# Altium PCB BACKPMANv21.PcbDoc (part 4 of 5)
Units mm, origin at the board's own origin, x right, y up, seen from the top; angles counter-clockwise.
Board outline 113 x 160 mm, 4 copper layers (Component Side, Layer 1, Layer 2, Bottom Layer), stack 1.637 mm thick; 353 components, 234 nets, 1200 pads, 796 vias.
Unrouted connection lines stored in the file: 4.
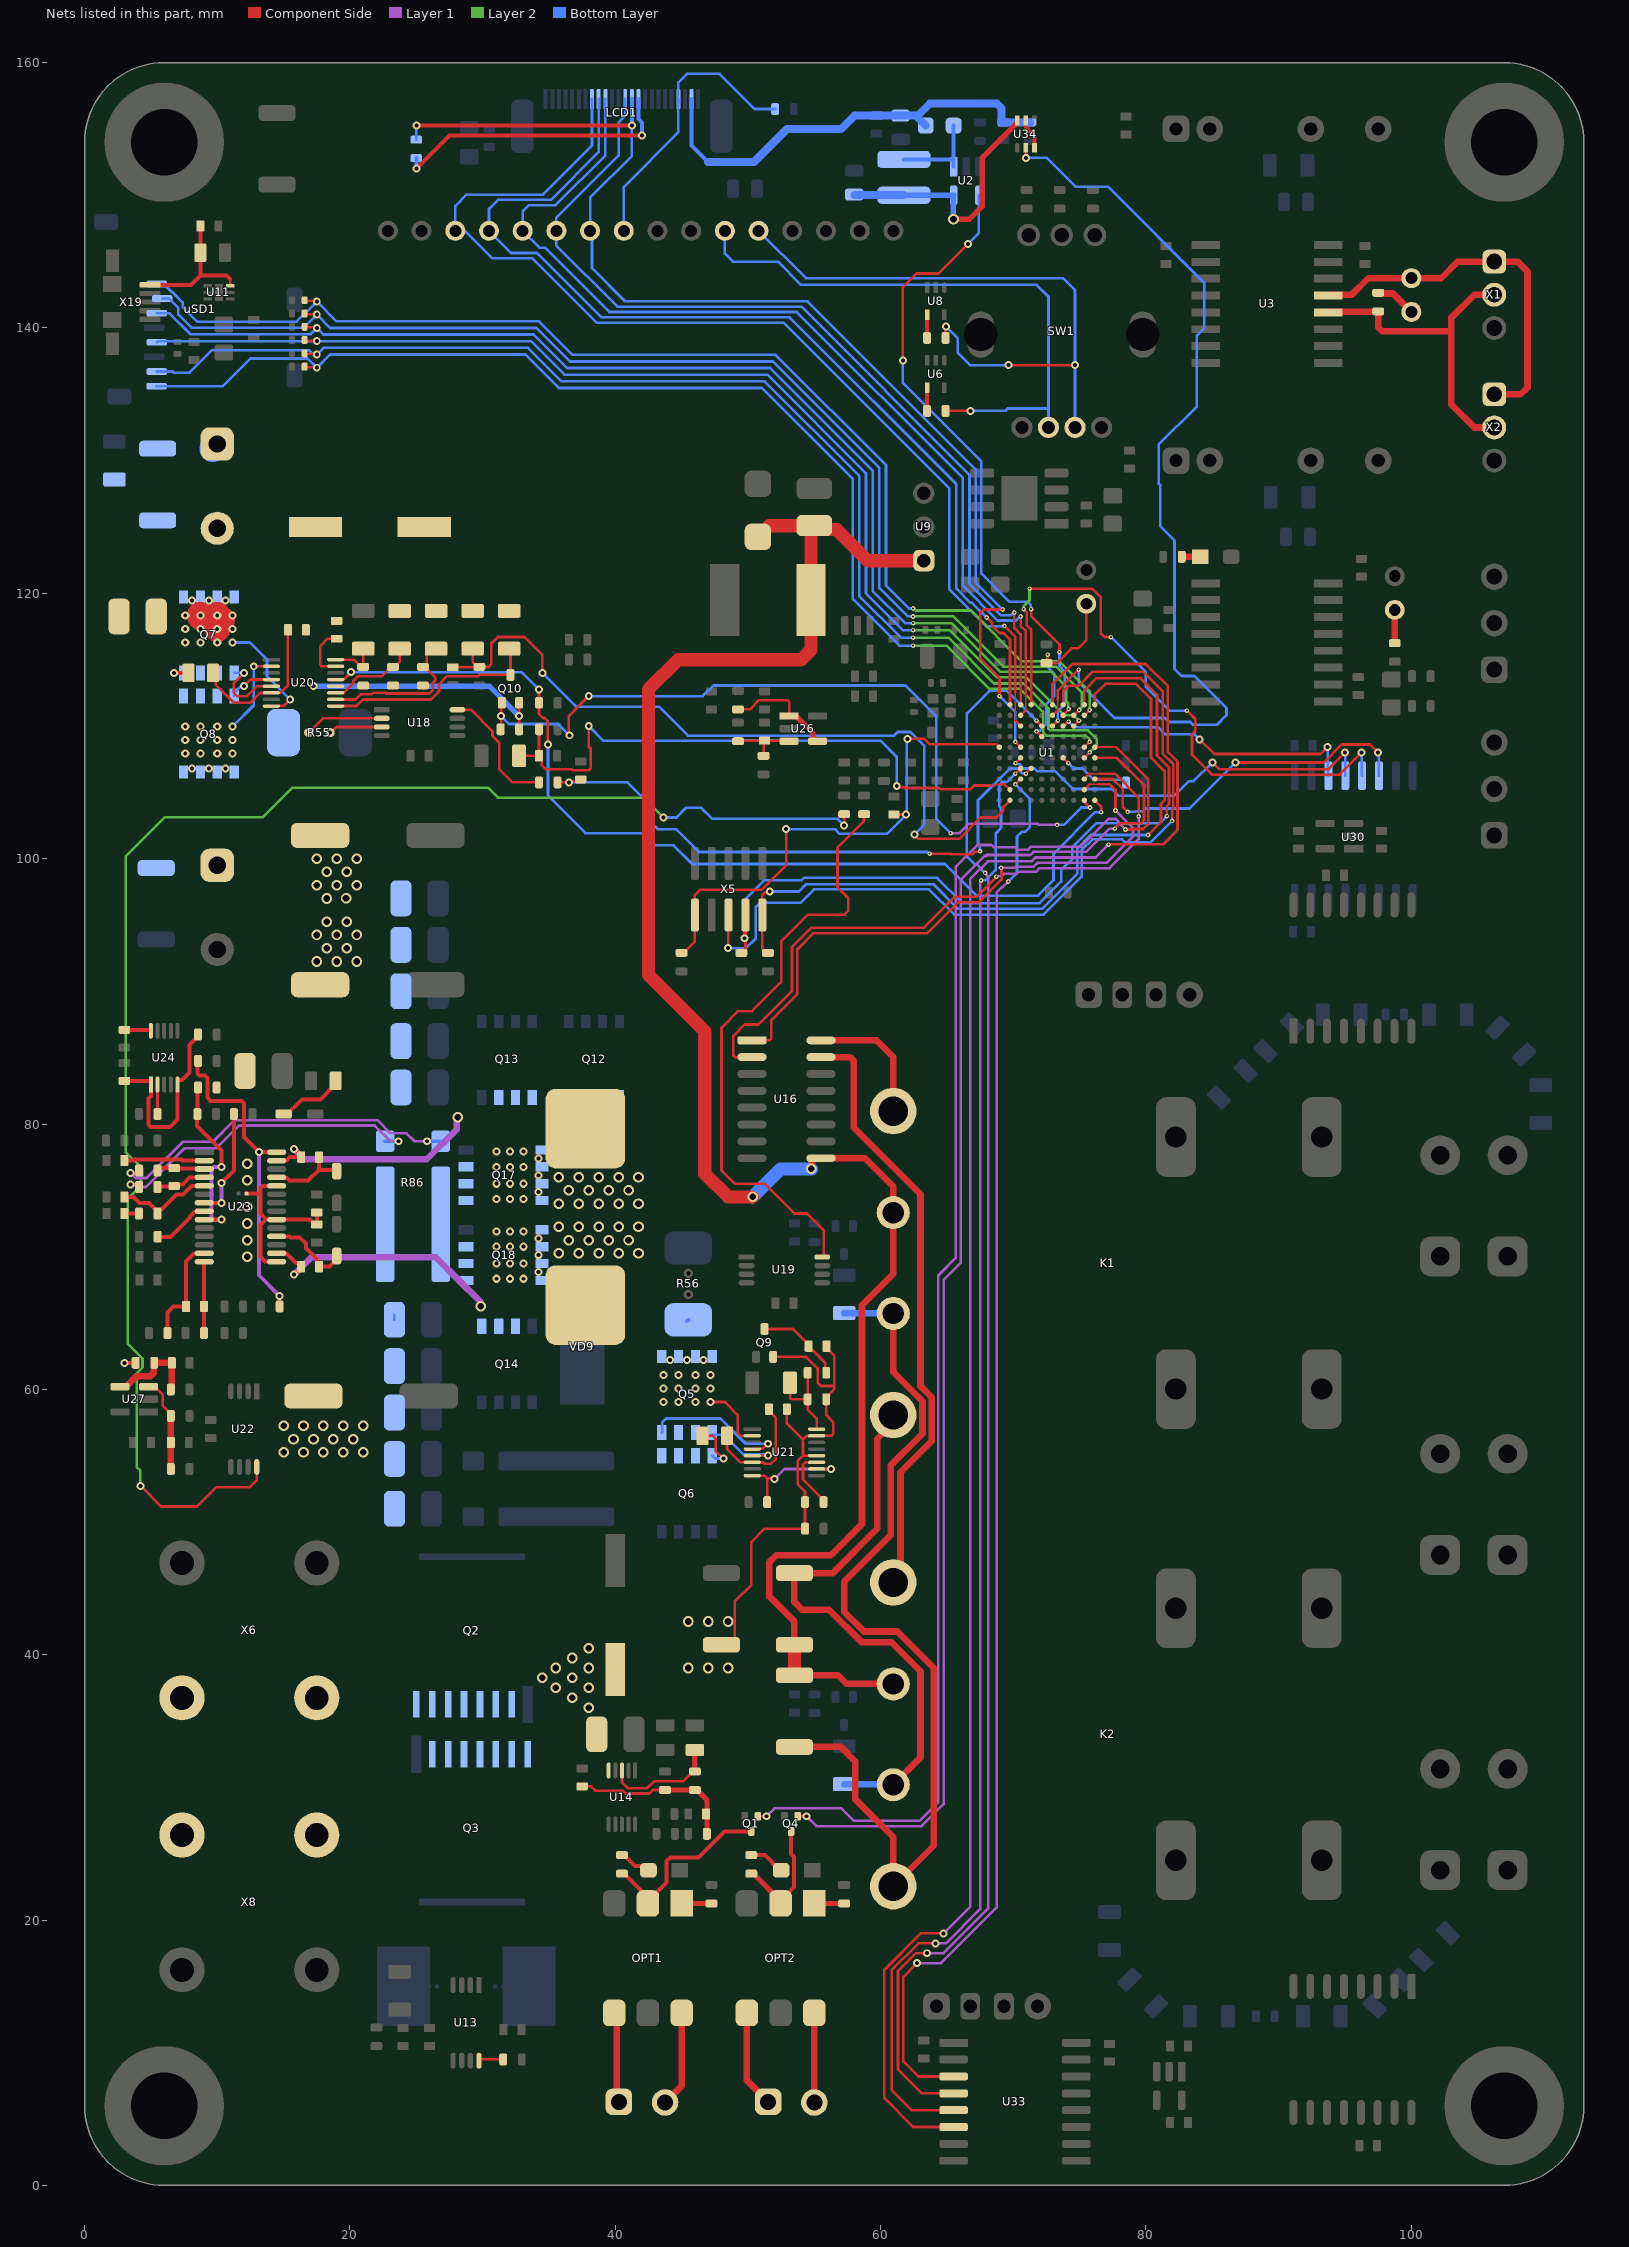
[diagram p6: the nets of this part, all layers, seen from the top]

## Via types
v1: diameter 0.8, hole 0.5, Component Side to Bottom Layer, tented both sides, 220 vias
v2: diameter 0.6, hole 0.3, Component Side to Bottom Layer, tented both sides, 204 vias
v3: diameter 0.35, hole 0.15, Component Side to Bottom Layer, tented both sides, 137 vias
v4: diameter 0.61, hole 0.3, Component Side to Bottom Layer, tented both sides, 135 vias
v5: diameter 0.6, hole 0.3, Component Side to Bottom Layer, 94 vias
v6: diameter 0.8, hole 0.5, Component Side to Bottom Layer, 2 vias
v7: diameter 1, hole 0.5, Component Side to Bottom Layer, tented both sides, 2 vias
v8: diameter 1.2, hole 0.8, Component Side to Bottom Layer, 1 vias
v9: diameter 0.9, hole 0.5, Component Side to Bottom Layer, tented both sides, 1 vias

## Nets (pads, with @x,y where several pads share a name; then routed paths per layer and width w, separated by ;. In a path a pad name is that pad's centre, name@x,y a point inside that pad or via, vN(x,y) a via of type N, cw(c..) or ccw(c..) an arc to the next point about the centre after c; other vN are vias at no path point) (continued)
NetC45_1: C45.1 L4.1 U11.6 X19.1 | length 10.7
  Component Side w0.2: U11.6@10.975,143.175 10.975,143.675
  Component Side w0.3: X19.1@4.926,143.25 8.025,143.25 8.725,143.95 ; C45.1@8.725,147.675 L4.1@8.725,145.675 8.725,143.95 ; 10.975,143.675 10.7,143.95 8.725,143.95
NetC56_2: C56.2 R66.1 U21.6 | length 9.4
  Component Side w0.2: R66.1@48.425,56.5 48.425,55.5 49.414,54.511 U21.6@50.286,54.511 ; U21.6@50.325,54.5 50.337,54.489 51.163,54.489 51.251,54.4 51.749,54.4 52.1,54.751 52.1,57.85 51.575,58.375 C56.2@51.575,58.5 ; U21.6@50.286,54.511 U21.6@50.325,54.472 ; U21.6@50.286,54.511 50.311,54.486 U21.6@50.325,54.472 ; U21.6@50.325,54.472 50.341,54.489 U21.6@50.325,54.472
NetC57_2: C57.2 Q9.3 R60.2 | length 6.6
  Component Side w0.2: Q9.3@51.25,64.55 53.4,64.55 54.575,63.375 54.575,63.125 54.775,62.925 54.9,62.925 55.825,62 55.825,61.325 R60.2@55.9,61.25
NetC60_2: C60.2 U20.15 | length 4.1
  Component Side w0.2: U20.15@18.925,114.5 17.867,114.5 17.75,114.617 17.75,116 18.325,116.575 C60.2@19,116.575
NetC79_2: C79.2 R93.1 U23.5 | length 7.4
  Component Side w0.3: C79.2@3,74.5 3.693,74.5 4.143,74.05 4.85,74.05 R93.1@5.5,73.4 ; R93.1@5.5,73.25 R93.1@5.5,73.4 ; U23.5@9.025,75.337 9.002,75.315 8.065,75.315 7.425,74.675 6.925,74.675 5.8,73.55 5.65,73.55 R93.1@5.5,73.4
NetC80_2: C80.2 R93.2 | length 1.1
  Component Side w0.3: C80.2@3,73.25 R93.2@4.1,73.25
NetC81_2: C81.2 U23.2 | length 6.1
  Component Side w0.3: C81.2@3,77.25 3.008,77.242 3.685,77.242 3.768,77.325 7.298,77.325 7.381,77.242 U23.2@9.025,77.242
NetC82_2: C82.2 U24.10 | length 4.1
  Component Side w0.3: U24.10@5,87.025 U24.10@5,87.1 ; U24.10@5,87.1 C82.2@3,87.1 U24.10@5,87.1
NetC83_1: C83.1 U23.25 VD13.1 | length 6
  Component Side w0.3: U23.25@14.475,75.972 14.498,75.95 15.226,75.95 15.451,75.725 16.856,75.725 17.675,76.544 ; C83.1@17.675,77.5 17.675,76.544 ; VD13.1@19,76.45 18.906,76.544 17.675,76.544
NetC85_1: C85.1 U23.18 VD14.1 | length 6.4
  Component Side w0.3: U23.18@14.475,71.527 14.498,71.505 15.463,71.505 15.51,71.457 16.217,71.457 16.685,70.99 16.685,70.657 16.957,70.385 16.965,70.385 17.529,69.821 17.529,69.396 C85.1@17.675,69.25 18.461,69.25 19,69.789 VD14.1@19,70.05
NetC86_1: C86.1 L6.1 U24.1 U24.5 | length 17.5
  Component Side w0.3: L6.1@8.55,86.75 8.55,86.6 7.9,85.95 7.9,83.875 7.349,83.324 ; U24.1@5,83.25 C86.1@3,83.25 U24.1@5,83.25 ; U24.1@5,83.25 U24.1@5,82.975 5,82.125 4.8,81.925 4.8,79.951 4.976,79.775 6.45,79.775 7,80.325 U24.5@7,83.324 ; U24.5@7,83.324 7.349,83.324 ; U24.5@7,83.324 7.349,83.324
NetC98_1: C98.1 R106.1 R107.2 U26.3 | length 5
  Component Side w0.2: R107.2@49.25,108.85 49.275,108.875 C98.1@51.225,108.875 ; R106.1@51.175,107.75 51.188,107.763 51.188,108.837 C98.1@51.225,108.875 ; U26.3@53.1,108.85 53.075,108.875 51.275,108.875 C98.1@51.25,108.9 C98.1@51.225,108.875
NetC101_2: C101.2 R109.2 R111.1 U27.4 | length 7.1
  Component Side w0.5: U27.4@2.675,60.2 3.125,60.2 3.925,61 4.957,61 5.2,61.243 5.2,61.95 R109.2@5.25,62 C101.2@6.575,62 6.575,60.225 6.5,60.15 R111.1@6.5,60
NetC102_1: C102.1 R110.2 R112.2 U27.3 | length 7.2
  Component Side w0.2: U27.3@4.825,60.2 5.275,60.2 5.879,59.596 5.879,58.771 6.5,58.15 R110.2@6.5,58
  Component Side w0.5: R112.2@6.5,54 C102.1@6.5,56 R110.2@6.5,58
NetC104_1: C104.1 R113.1 U23.14 | length 5.4
  Component Side w0.3: R113.1@9,64.25 C104.1@9,66.25 9,69.597 U23.14@9.025,69.622
NetC104_2: C104.2 R114.1 U23.13 | length 8.2
  Component Side w0.3: R114.1@6.25,64.25 6.25,65.8 6.7,66.25 C104.2@7.65,66.25 7.65,69.65 8.235,70.235 9.002,70.235 U23.13@9.025,70.257
NetJ1_2: J1.2 R8.1 | length 3.1
  Component Side w0.5: R8.1@97.5,142.65 97.55,142.6 98.61,142.6 J1.2@100,141.21
NetJ2_1: J2.1 R49.2 | length 2.5
  Component Side w0.5: R49.2@98.75,116.25 J2.1@98.75,118.75
NetJ3_1: J3.1 R1.2 U1.D5 | length 14.3
  Component Side w0.2: v3(71.75,109.6) U1.D5@72.15,109.2 ; v3(72.587,115.375) 72.587,114.837 R1.2@72.5,114.75 72.587,114.75 73.29,114.75 74.39,115.85 74.875,115.85 75.5,116.475 J3.1@75.5,119.21
  Bottom Layer w0.2: v3(71.75,109.6) 71.779,109.629 72.004,109.629 72.475,110.1 72.475,111.635 73.088,112.248 73.088,113.93 72.587,114.431 v3(72.587,115.375)
NetK1_3: K1.3 U16.16 | length 10.1
  Component Side w0.5: U16.16@55.5,86.31 59.69,86.31 60.95,85.05 K1.3@60.95,80.968
NetK1_5: K1.5 K2.6 R51.1 VD4.1 | length 71.4
  Component Side w0.5: VD4.1@53.5,33.05 57,33.05 58.075,31.975 58.075,29.125 60.95,26.25 K2.6@60.95,22.55 64,25.6 64,39 61.25,41.75 58.74,41.75 57.25,43.24 57.25,45.5 60.75,49 60.75,54.25 63.15,56.65 63.15,59.1 60.95,61.3 K1.5@60.95,65.718
  Bottom Layer w0.5: R51.1@57.25,65.75 57.266,65.734 60.934,65.734 K1.5@60.95,65.718
NetK1_6: K1.6 K2.5 R53.1 VD5.1 | length 43.8
  Component Side w0.5: K2.5@60.95,30.2 63,32.25 63,38.75 60.8,40.95 58.55,40.95 56.125,43.375 54.086,43.375 53.5,43.961 VD5.1@53.5,46.15 56.4,46.15 59.75,49.5 59.75,56.275 60.95,57.475 K1.6@60.95,58.068
  Bottom Layer w0.5: R53.1@57.25,30.25 57.275,30.225 60.925,30.225 K2.5@60.95,30.2 ; K1.6@60.95,58.068 60.95,58.05 K1.6@61,58
NetK2_3: K2.3 U16.15 | length 45.5
  Component Side w0.5: U16.15@55.5,85.04 57.682,85.04 57.975,84.747 57.975,79.725 63,74.7 63,60.25 63.85,59.4 63.85,56.1 61.5,53.75 61.5,46 K2.3@60.95,45.45
NetL1_2: L1.2 U2.1 VD1.2 | length 6.9
  Bottom Layer w0.3: L1.2@61.75,152.7 65.375,152.7 U2.1@65.5,152.575 ; U2.1@65.5,152.15 U2.1@65.5,152.575 ; VD1.2@65.5,155.25 U2.1@65.5,152.575
NetLCD1_15: LCD1.15 R2.2 | length 21.7
  Component Side w0.3: v2(25,152) 27.5,154.5 v2(42,154.5)
  Bottom Layer w0.3: v2(25,152) R2.2@25,152.8 ; LCD1.15@41.75,157.25 41.75,155.74 42,155.49 v2(42,154.5)
NetLCD1_21: LCD1.21 P2.1 R3.2 | length 21.9
  Bottom Layer w0.2: P2.1@40.64,147.32 40.64,150.64 44.75,154.75 LCD1.21@44.75,157.05 ; R3.2@52.05,156.5 50.5,156.5 47.85,159.15 45.4,159.15 44.75,158.5 LCD1.21@44.75,157.25 ; LCD1.21@44.75,157.05 44.8,157 44.8,157.2 LCD1.21@44.75,157.25 ; LCD1.21@44.75,157.05 LCD1.21@44.75,157.25
NetLED1_2: LED1.2 R19.2 | length 2.5
  Component Side w0.3: R19.2@40.5,24.9 40.65,24.9 41.477,24.073 42.177,24.073 LED1.2@42.5,23.75
NetLED2_2: LED2.2 R26.2 | length 2.7
  Component Side w0.3: R26.2@50.25,24.9 51.275,24.9 52.425,23.75 LED2.2@52.5,23.75
NetLED17_1: LED17.1 R50.1 | length 1.4
  Component Side w0.5: R50.1@82.7,122.75 LED17.1@84.075,122.75
NetOPT1_1: OPT1.1 R18.2 | length 2.2
  Component Side w0.4: OPT1.1@45,21.25 R18.2@47.25,21.25
NetOPT1_2: OPT1.2 Q1.3 R19.1 | length 14.2
  Component Side w0.3: R19.1@40.5,23.5 40.65,23.5 41.93,22.22 41.93,21.78 OPT1.2@42.46,21.25 42.46,21.4 43.875,22.815 43.875,24.445 44.155,24.725 46.282,24.725 48.232,26.675 Q1.3@50.25,26.675
NetOPT1_4: OPT1.4 X7.1 | length 6.8
  Component Side w0.5: OPT1.4@39.92,13 40.098,12.822 40.098,6.478 X7.1@40.275,6.301
NetOPT1_6: OPT1.6 X7.2 | length 7.3
  Component Side w0.5: X7.2@43.75,6.25 45,7.5 OPT1.6@45,13
NetOPT2_1: OPT2.1 R25.2 | length 2.2
  Component Side w0.4: OPT2.1@55,21.25 R25.2@57.25,21.25
NetOPT2_2: OPT2.2 Q4.3 R26.1 | length 9
  Component Side w0.3: R26.1@50.25,23.5 R26.1@50.4,23.5 ; OPT2.2@52.46,21.25 52.46,21.44 52.46,21.457 53.475,22.472 53.475,24.743 53.25,24.968 Q4.3@53.25,26.675
  Component Side w0.4: R26.1@50.4,23.5 OPT2.2@52.46,21.44
NetOPT2_4: OPT2.4 X9.1 | length 7.4
  Component Side w0.5: OPT2.4@49.92,13 49.92,7.906 X9.1@51.525,6.301
NetOPT2_6: OPT2.6 X9.2 | length 6.7
  Component Side w0.5: X9.2@55,6.25 OPT2.6@55,13
NetP14_1: P14.1 R16.2 SW1.3 | length 48.5
  Component Side w0.2: R16.2@64.9,139.25 64.9,139.975 64.925,140 v2(64.925,140.1) ; v2(69.65,137.2) v2(74.65,137.2)
  Bottom Layer w0.2: P14.1@50.8,147.32 54.37,143.75 73.75,143.75 74.65,142.85 v2(74.65,137.2) SW1.3@74.65,132.5 ; v2(64.925,140.1) 65.8,139.225 65.8,138.15 66.75,137.2 v2(69.65,137.2)
NetP15_1: P15.1 R15.2 SW1.2 | length 45.2
  Component Side w0.2: R15.2@64.9,133.75 v2(66.775,133.75)
  Bottom Layer w0.2: P15.1@48.26,147.32 48.26,145.607 48.867,145 52.25,145 54,143.25 71.75,143.25 72.65,142.35 72.65,134 ; v2(66.775,133.75) 69.4,133.75 69.575,133.925 72.575,133.925 72.65,134 ; SW1.2@72.65,132.5 72.65,133.925 72.65,134
NetQ2_2: Q2.2 Q3.2
NetQ5_1: Q5.1 U21.4 | length 11
  Component Side w0.2: U21.4@50.325,55.5 50.337,55.511 51.111,55.511 v2(51.5,55.9)
  Bottom Layer w0.2: Q5.1@43.5,56.75 43.533,56.783 43.533,57.508 43.825,57.8 47.933,57.8 49.833,55.9 v2(51.5,55.9)
NetQ5_2: Q5.2 Q6.2 U21.5 | length 7
  Component Side w0.2: U21.5@50.325,55 v2(51.5,55)
  Bottom Layer w0.2: v2(51.5,55) 51.4,55.1 49.65,55.1 48.162,56.588 ; 48.162,56.588 47.247,56.588 48.162,56.588
NetQ5_3: Q5.3 R56.1 U21.2 | length 5.1
  Component Side w0.2: v4(47.183,59.046) 48.254,59.046 49.225,58.075 49.225,56.7 49.425,56.5 U21.2@50.325,56.5
  Bottom Layer w0.3: R56.1@45.41,65.155 R56.1@45.5,65.245
  other v4: 43.627,59.046 44.77,59.046 46.04,59.046 43.627,60.062 44.77,60.062 46.04,60.062 47.183,60.062 43.627,61.078 44.77,61.078 46.04,61.078 47.183,61.078 44.135,62.2 45.41,62.2 46.66,62.2
NetQ6_1: Q6.1 R66.2 | length 3.7
  Component Side w0.2: R66.2@46.575,56.5 47.37,56.5 47.56,56.31 47.56,55.37 v2(48.142,54.788)
  Bottom Layer w0.2: Q6.1@47.31,55 47.522,54.788 v2(48.142,54.788)
NetQ8_3: Q8.3 R55.2 U20.2 | length 6.5
  Component Side w0.2: v2(12.75,114.5) U20.2@14.075,114.5
  Bottom Layer w0.2: v4(11.143,109.954) 12.75,111.561 v2(12.75,114.5)
  other v4: 8.11,106.8 9.36,106.8 10.635,106.8 7.587,107.922 8.73,107.922 10,107.922 11.143,107.922 7.587,108.938 8.73,108.938 10,108.938 11.143,108.938 7.587,109.954 8.73,109.954 10,109.954
NetQ17_2: Q17.2 Q18.2 R86.2
NetR7_2: R7.2 U1.F7 | length 5.5
  Component Side w0.2: U1.F7@73.75,107.6 v3(74.15,107.2)
  Bottom Layer w0.2: v3(74.15,107.2) 74.55,106.8 75.2,106.8 76.05,105.95 78.304,105.95 78.5,105.754 R7.2@78.5,105.75
NetR15_1: R15.1 U6.4 | length 1.8
  Component Side w0.3: R15.1@63.5,133.75 U6.4@63.5,135.5
NetR16_1: R16.1 U8.4 | length 1.8
  Component Side w0.3: R16.1@63.5,139.25 U8.4@63.5,141
NetR21_1: R21.1 U13.8 | length 1.9
  Component Side w0.2: U13.8@29.725,9.4 29.725,9.408 29.817,9.5 R21.1@31.55,9.5
NetR29_1: R29.1 R33.2 U14.3 | length 8.7
  Component Side w0.2: U14.3@40.5,31.275 40.5,30.375 40.94,29.935 42.401,29.935 42.941,30.475 45.125,30.475 45.85,31.2 R33.2@46,31.2
  Component Side w0.4: R33.2@46,31.2 R29.1@46,32.825
NetR57_1: R57.1 R62.1 U20.16 | length 3.7
  Component Side w0.2: U20.16@18.925,115 20.3,115 20.85,114.45 R62.1@21,114.45 R57.1@21,115.825
NetR59_1: R59.1 R60.1 R65.2 U21.16 | length 7
  Component Side w0.2: R59.1@53.175,60.5 53.175,59.367 53.292,59.25 R65.2@54.5,59.25 ; R60.1@54.5,61.25 R65.2@54.5,59.25 ; U21.16@55.175,57 55.175,57.8 54.5,58.475 R65.2@54.5,59.25
NetR69_1: R69.1 R73.2 U20.10 | length 11.8
  Component Side w0.2: U20.10@18.925,112 20.434,112 20.834,112.4 21.65,112.4 21.75,112.5 22.714,112.5 22.764,112.45 25.986,112.45 26.25,112.714 26.25,113.25 26.417,113.417 26.417,113.683 25.65,114.45 25.594,114.45 25.791,114.646 25.791,115.402 26.213,115.825 R69.1@26.5,115.825
NetR70_1: R70.1 R74.2 U20.11 | length 6.9
  Component Side w0.2: U20.11@18.925,112.5 18.936,112.511 19.565,112.511 20.25,113.197 20.25,113.386 20.614,113.75 22.4,113.75 23.1,114.45 R74.2@23.25,114.45 23.373,114.45 23.75,114.827 R70.1@23.75,115.825
NetR71_1: R71.1 U21.8 U21.10 | length 9.2
  Component Side w0.2: U21.8@50.325,53.5 51.25,53.5 51.45,53.3 ; R71.1@51.45,51.5 51.45,53.3 ; v2(52,53.25) 51.95,53.3 51.45,53.3 ; U21.10@55.175,54 v2(56.25,54)
  Layer 1 w0.2: v2(52,53.25) 52.75,54 v2(56.25,54)
NetR77_1: R77.1 U21.11 | length 4.6
  Component Side w0.2: U21.11@55.175,54.5 54.325,54.5 54.15,54.325 54.15,53.2 55.7,51.65 R77.1@55.7,51.5
NetR84_2: R84.2 VD11.1 | length 5.1
  Component Side w0.3: VD11.1@15,80.75 15.275,80.75 16.375,81.85 17.775,81.85 18.925,83 R84.2@18.925,83.25
NetR85_1: R85.1 R86.4 | length 26.7
  Component Side w0.2: v2(3.475,76.3) 3.904,76.3 4.1,76.496 R85.1@4.1,76.5
  Layer 1 w0.2: v2(3.475,76.3) 3.85,75.925 4.675,75.925 7.412,78.662 9.663,78.662 11.29,80.29 22.085,80.29 23.075,79.3 24.272,79.3 24.872,78.7 v2(25.825,78.7)
  Bottom Layer w0.3: v2(25.825,78.7) R86.4@26.85,78.7
NetR86_3: R86.3 R87.1 | length 24.5
  Component Side w0.2: v2(3.455,75.445) 3.905,75.445 R87.1@4.1,75.25
  Layer 1 w0.2: v2(3.455,75.445) 3.514,75.386 4.055,75.386 4.192,75.25 4.625,75.25 7.55,78.175 9.925,78.175 11.64,79.89 21.86,79.89 23.05,78.7 v2(23.675,78.7)
  Bottom Layer w0.3: R86.3@22.65,78.7 v2(23.675,78.7)
NetR89_2: R89.2 R101.1 U23.9 | length 13.4
  Component Side w0.3: R89.2@8.55,82.75 8.525,82.725 8.525,80.775 8.475,80.725 8.475,79.85 10.325,78 v2(10.325,76.75) ; U23.9@9.025,72.797 9.027,72.799 v2(10.325,72.801) v2(10.325,72.801)
  Layer 1 w0.3: v2(10.325,72.801) 10.3,72.775 9.751,72.775 9.575,72.951 9.575,76.574 9.751,76.75 v2(10.325,76.75)
NetR90_2: R90.2 U23.8 | length 4.4
  Component Side w0.3: R90.2@5.5,71.5 5.525,71.475 6.475,71.475 7.95,72.95 7.95,73.029 8.278,73.358 8.35,73.358 8.365,73.372 8.418,73.372 8.478,73.432 U23.8@9.025,73.432
NetR94_2: R94.2 U24.2 | length 2.2
  Component Side w0.2: R94.2@5.5,80.75 U24.2@5.5,82.975
NetR95_2: R95.2 R99.2 U23.28 | length 24.2
  Component Side w0.3: R99.2@8.55,84.75 8.5,84.7 8.5,83.814 8.676,83.638 9.074,83.638 9.25,83.462 9.25,82 9.5,81.75 11.824,81.75 12,81.574 12,79.025 v2(13.15,77.875) 13.152,77.877 U23.28@14.475,77.877 ; R95.2@14.7,66.1 R95.2@14.7,66.25 v2(14.7,67.05)
  Layer 1 w0.3: v2(13.15,77.875) 13.15,68.6 v2(14.7,67.05)
NetR103_1: R103.1 U22.8 | length 119.4
  Component Side w0.2: v2(4.2,52.7) 4.25,52.7 5.775,51.175 8.475,51.175 9.925,52.625 12.475,52.625 12.975,53.125 U22.8@12.975,54.15 ; v2(57.25,102.5) R103.1@57.25,103.35
  Layer 2 w0.2: v2(4.2,52.7) 4.2,53.875 3.925,54.15 3.925,61.205 4.37,61.65 4.37,62.33 3.25,63.45 3.25,74.404 3.471,74.625 3.484,74.625 4.25,75.391 4.25,76.025 4.35,76.125 4.35,76.65 3.1,77.9 3.1,100.177 6.048,103.125 13.441,103.125 15.666,105.35 30.4,105.35 31.15,104.6 42.125,104.6 v2(43.625,103.1)
  Bottom Layer w0.2: v2(43.625,103.1) 44.6,103.1 45.337,103.837 46.475,103.837 47.312,103 56.76,103 57.25,102.51 v2(57.25,102.5)
NetR104_1: R104.1 U18.8 | length 9.8
  Component Side w0.2: U18.8@28.1,111.225 29.11,111.225 30.75,109.585 30.75,109.245 31.25,108.745 31.25,106.75 32.25,105.75 R104.1@34.25,105.75
NetR105_1: R105.1 U19.8 | length 45.8
  Component Side w0.2: U19.8@55.6,69.975 55.608,69.975 55.7,70.067 55.7,72 54.45,73.25 53.5,73.25 51.25,75.5 49,75.5 48,76.5 48,87.25 49.25,88.5 50.298,88.5 52.5,90.702 52.5,93.75 54.533,95.783 57.277,95.783 57.569,96.075 57.569,97.015 56.744,97.841 56.744,100.838 58.75,102.844 R105.1@58.75,103.35
NetR108_2: R108.2 U26.1 U26.4 | length 8.5
  Component Side w0.2: R108.2@49.25,111.25 50.145,111.25 50.845,111.95 52.983,111.95 53.1,111.833 U26.1@53.1,110.75
  Component Side w0.4: U26.1@53.1,110.75 53.175,110.675 53.71,110.675 54.909,109.477 54.909,108.925 54.984,108.85 U26.4@55.25,108.85
NetR115_1: R115.1 U23.7 | length 8.4
  Component Side w0.3: U23.7@9.025,74.067 9.032,74.06 10.317,74.06 v2(10.325,74.052) ; v2(10.325,75.55) 11.263,76.487 11.263,80.738 R115.1@11.25,80.75
  Layer 1 w0.3: v2(10.325,74.052) v2(10.325,75.55)
NetU34_3: U34.3 U34.5 | length 2.3
  Component Side w0.3: U34.5@70.95,155.632 70.95,155.107 71.6,154.457 U34.3@71.6,153.582
OLED+5V: C115.1 L1.1 U2.5 U34.6 | length 19.5
  Component Side w0.4: v1(65.488,148.187) 66.677,148.187 67.669,149.179 67.669,152.851 70.3,155.482 U34.6@70.3,155.632
  Bottom Layer w0.4: C115.1@58,150.05 C115.1@58.025,150.025 ; L1.1@61.725,150.025 L1.1@61.75,150 U2.5@65.5,150 65.475,149.975 65.475,148.25 v1@65.45,148.225
  Bottom Layer w0.6: C115.1@58.025,150.025 L1.1@61.725,150.025
OLED_CLK: LCD1.13 P7.1 U1.A3 | length 71.3
  Component Side w0.2: v3(70.075,118.55) 70.075,117.375 70.55,116.9 U1.A3@70.55,111.6
  Bottom Layer w0.2: LCD1.13@40.75,157.25 40.75,156 40.25,155.5 40.25,153 35.56,148.31 P7.1@35.56,147.32 35.56,146.19 40.15,141.6 54.031,141.6 66.7,128.93 66.7,120.701 69.051,118.35 69.834,118.35 70.034,118.55 v3(70.075,118.55)
OLED_CS: LCD1.8 P4.1 U1.C3 | length 83.8
  Component Side w0.125: 70.15,110.4 70.15,112.547
  Component Side w0.2: v3(69.325,117.55) 69.325,117.525 70.155,116.695 70.155,112.547 ; 70.15,110.4 U1.C3@70.55,110
  Bottom Layer w0.2: LCD1.8@38.25,157.25 38.25,153.75 34.55,150.05 28.8,150.05 27.94,149.19 P4.1@27.94,147.32 28.68,147.32 30.75,145.25 33.75,145.25 38.6,140.4 52.691,140.4 65.176,127.914 65.176,120.294 67.946,117.525 69.3,117.525 v3(69.325,117.55)